# KiCad board plinkyblack.kicad_pcb (continued)
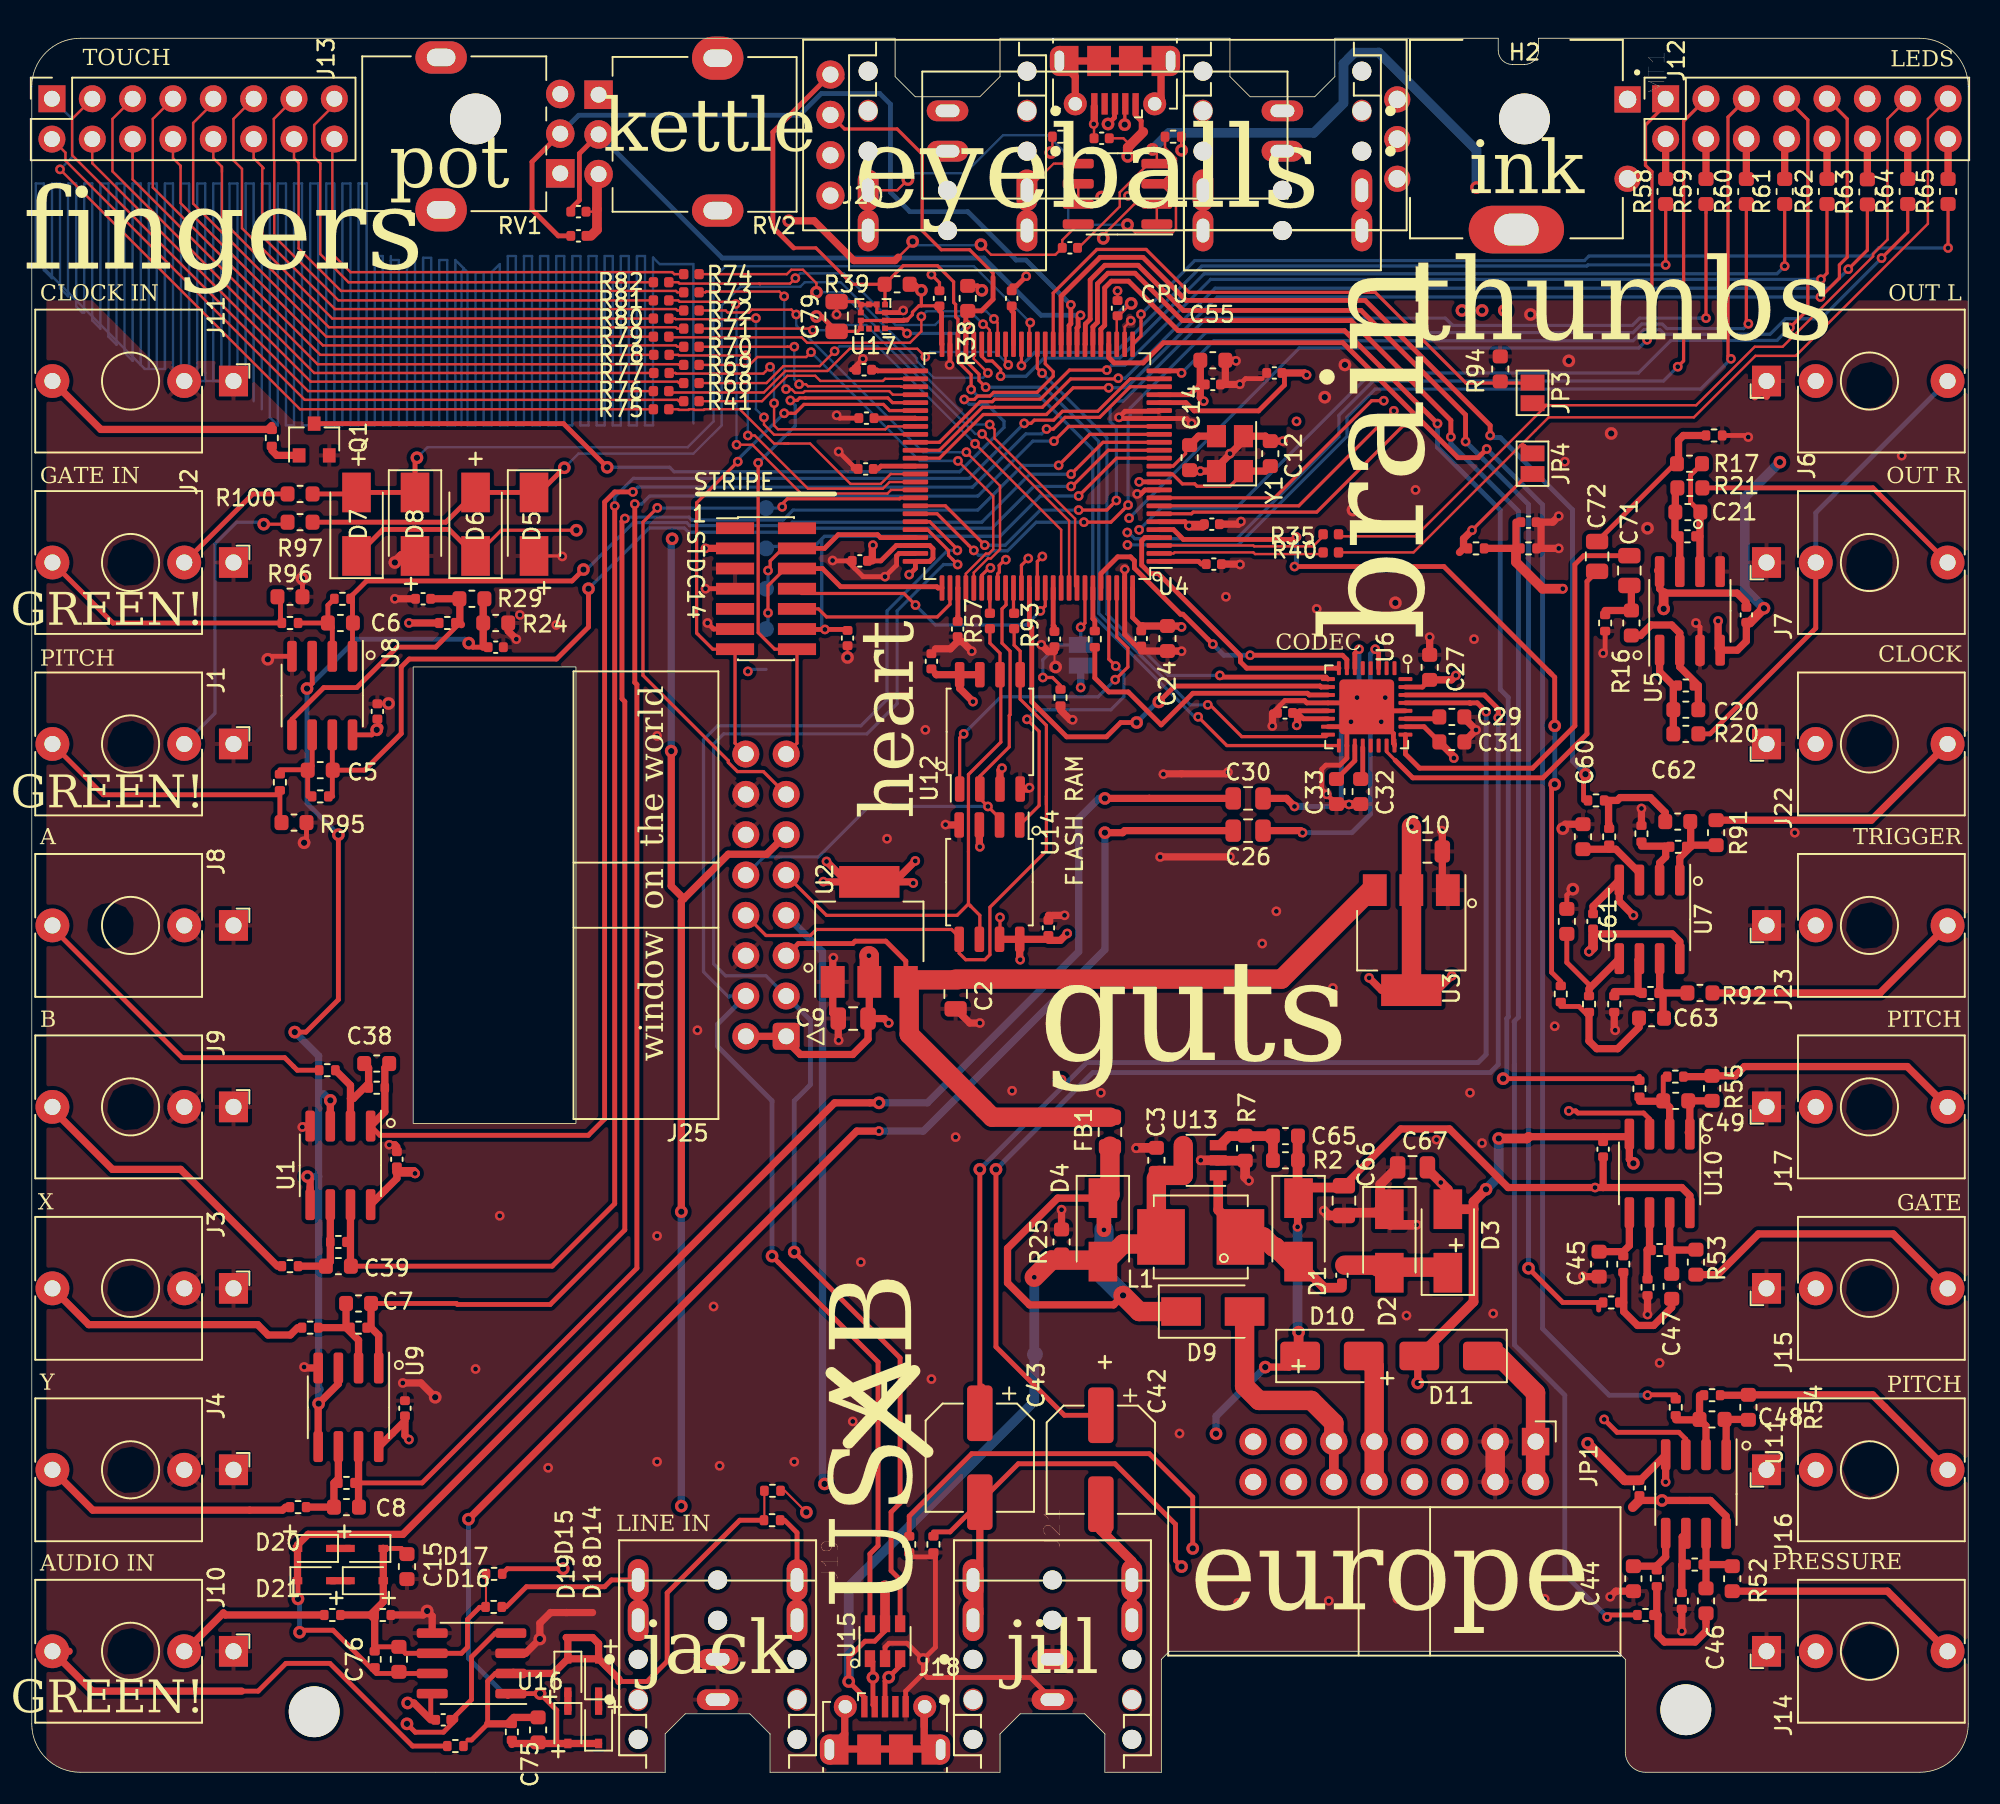
[diagram p0: board, top side]
## Library data of the parts
C1 C11 C16 C18 C19 C22 C23 C25 C28 C40 C41 C50 C51 C53 C64 C73 C74 C77 C78 = -: Description: Unpolarized capacitor; LCSC: C14663
C2 C9 C10 C26 C30 C66 C67 C71 C72 C79 = -: Description: Unpolarized capacitor; LCSC: C15850
C3 C24 C27 C29 C31-C33 = -: Description: Unpolarized capacitor; LCSC: C19666
C4 = -: Description: Unpolarized capacitor; LCSC: C15849
C5-C8 C38 C39 C44-C49 C60-C63 = -: Description: Unpolarized capacitor; LCSC: C53987
C12 C14 C15 C65 = -: Description: Unpolarized capacitor; LCSC: C1647
C17 C35-C37 C52 C56-C59 C68-C70 = -: Description: Unpolarized capacitor, small symbol; LCSC: C14663
C20 C21 C75 C76 = -: Description: Unpolarized capacitor; LCSC: C1603
C34 C54 = -: Description: Unpolarized capacitor, small symbol; LCSC: C15849
C42 C43 = -: LCSC: C250009
C55 = -: Description: Unpolarized capacitor, small symbol; LCSC: C57112
D1-D11 = -: Description: Schottky diode; LCSC: C8678
D14 D16-D21 = -: Description: 75V 0.15A Fast switching Diode, SOD-323
D15 = -: Description: 75V 0.15A Fast switching Diode, SOD-323; LCSC: C2128
FB1 = -: LCSC: C1017
H1-H4 = -: Description: Mounting Hole without connection
J5 = -: Description: Generic connector, double row, 02x07, odd/even pin numbering scheme (row 1 odd numbers, row 2 even numbers), script generated (kicad-library-utils/schlib/autogen/connector/)
J12 J13 JP1 = -: Description: Generic connector, double row, 02x08, odd/even pin numbering scheme (row 1 odd numbers, row 2 even numbers), script generated (kicad-library-utils/schlib/autogen/connector/)
J18 J24 = -: LCSC: C136000
J19 J21 J26 J27 = -: Field4: CUI; Field5: Manufacturer recommendation
JP2-JP4 = -: Description: Solder Jumper, 2-pole, open
L1 = -: Description: Inductor; LCSC: C139506
MT1 = -: Field4: Manufacturer Recommendations; Field5: Rev. 09/19; Field6: J.W.Miller/Bourns
Q1 = -: Description: 0.2A Ic, 40V Vce, Small Signal NPN Transistor, SOT-23; LCSC: C20526
R1 R3-R5 R8 R22 R26 R27 R32 R33 R36 R103 R104 = -: Description: Resistor; LCSC: C25803
R2 R94-R96 = -: Description: Resistor; LCSC: C4172
R6 R20 R21 R23 R37 R52-R56 R91 R92 R106 = -: Description: Resistor; LCSC: C21190
R7 R25 = -: Description: Resistor; LCSC: C25811
R9 R14 R15 R18 R19 R50 R51 = -: Description: Resistor; LCSC: C4216
R10-R12 R30 R31 R42 R46 R85 R86 = -: Description: Resistor; LCSC: C31850
R13 R28 R43-R45 R47-R49 R66 R67 R83 R84 R87-R90 R98 R99 = -: Description: Resistor; LCSC: C25804
R16 R17 = -: Description: Resistor; LCSC: C23189
R24 = -: Description: Resistor; LCSC: C25981
R29 R38 R39 R97 R100 = -: Description: Resistor; LCSC: C4190
R34 = -: Description: Resistor; LCSC: C22775
R35 R40 R41 R57 R68-R82 R93 = -: Description: Resistor; LCSC: C25076
R58-R65 = -: Description: Resistor; LCSC: C23182
R101 R102 = -: Description: Resistor; LCSC: C22790
T_JTCK1 T_JTMS1 T_NRST1 T_VBUS1 TPDEBUG1 = -: Description: test point
U1 U8 U9 = -: Description: 1MHz, Low-Power Op Amp, SOIC-8; LCSC: C7377
U2 U3 = -: LCSC: C6186
U4 = -: LCSC: C165886
U5 U7 U10 U11 U16 = -: Description: Dual Low-Noise JFET-Input Operational Amplifiers, DIP-8/SOIC-8; LCSC: C6961
U6 = -: LCSC: C323840
U12 U14 = -: LCSC: C97521
U13 = -: Description: Synchronous Boost Regulator, Adjustable Output up to 28V, 400 mA Switch Current Limit, SOT-23-5; LCSC: C7722
U15 = -: Description: Very low capacitance ESD protection diode, 2 data-line, SOT-23-6; LCSC: C7519
U17 = -: LCSC: C110926
U18 = -: Description: Dual Low-Noise JFET-Input Operational Amplifiers, DIP-8/SOIC-8
Y1 = -: Description: Four pin crystal, GND on pins 2 and 4; LCSC: C13738

## Footprints (pads in the part's own frame, mm; a bottom-side part is the same pattern mirrored in y, then rotated)
C_0402_1005Metric
  rrect 0.56x0.62 smd: 1(-0.48,0) 2(0.48,0)
C_0603_1608Metric
  rrect 0.875x0.95 smd: 1(-0.787,0) 2(0.787,0)
C_0805_2012Metric
  rrect 0.975x1.4 smd: 1(-0.938,0) 2(0.938,0)
CP_Elec_6.3x5.9
  rrect 3.5x1.6 smd: 1(-2.8,0) 2(2.8,0)
Crystal_SMD_Abracon_ABM8G-4Pin_3.2x2.5mm
  rect 1.4x1.2 smd: 1(-1.1,-0.85) 2(1.1,-0.85) 3(1.1,0.85) 4(-1.1,0.85)
CUI_SJ1-3523N_double
  round 1.2 hole 1.2 unplated: (-5.04,5) (-5.04,-5) (0,5) (0,-5) (2.46,0) (5,0)
  oval 1.397x1.2 hole 1.2 unplated: (-2.54,5) (-2.54,-5)
  oval 1.308x2.616 hole 0.8x1.5: 1(-2.54,0) 1(0,0)
  oval 2.616x1.308 hole 1.5x0.8: 2(2.46,-5) 2(5,-5) 3(2.46,5) 3(5,5)
D_SMA
  rect 2.5x1.8 smd: 1(-2,0) 2(2,0)
D_SMA#2
  rrect 2.5x1.8 smd: 1(-2,0) 2(2,0)
D_SOD-323
  rect 0.6x0.45 smd: 1(-1.05,0) 2(1.05,0)
IDC-Header_2x08_P2.54mm_Horizontal
  rect 1.727x1.727 hole 1.016: 1(0,0)
  oval 1.727x1.727 hole 1.016: 2(2.54,0) 3(0,-2.54) 4(2.54,-2.54) 5(0,-5.08) 6(2.54,-5.08) 7(0,-7.62) 8(2.54,-7.62) 9(0,-10.16) 10(2.54,-10.16) 11(0,-12.7) 12(2.54,-12.7) 13(0,-15.24) 14(2.54,-15.24) 15(0,-17.78) 16(2.54,-17.78)
IDC-Header_2x08_P2.54mm_Horizontal#2
  rrect 1.7x1.7 hole 1: 1(0,0)
  round 1.7 hole 1: 2(2.54,0) 3(0,-2.54) 4(2.54,-2.54) 5(0,-5.08) 6(2.54,-5.08) 7(0,-7.62) 8(2.54,-7.62) 9(0,-10.16) 10(2.54,-10.16) 11(0,-12.7) 12(2.54,-12.7) 13(0,-15.24) 14(2.54,-15.24) 15(0,-17.78) 16(2.54,-17.78)
L_0805_2012Metric
  rrect 0.975x1.4 smd: 1(-0.938,0) 2(0.938,0)
L_Murata_LQH55DN_5.7x5.0mm
  rect 3x3.5 smd: 1(-2.5,0) 2(2.5,0)
LGA-12_2x2mm_P0.5mm
  rect 0.375x0.35 smd: 1(-0.762,0.75) 2(-0.762,0.25) 3(-0.762,-0.25) 4(-0.762,-0.75) 7(0.762,-0.75) 8(0.762,-0.25) 9(0.762,0.25) 10(0.762,0.75)
  rect 0.35x0.375 smd: 5(-0.25,-0.762) 6(0.25,-0.762) 11(0.25,0.762) 12(-0.25,0.762)
LQFP-100_14x14mm_P0.5mm
  rrect 1.6x0.3 smd: 1(-7.675,6) 2(-7.675,5.5) 3(-7.675,5) 4(-7.675,4.5) 5(-7.675,4) 6(-7.675,3.5) 7(-7.675,3) 8(-7.675,2.5) 9(-7.675,2) 10(-7.675,1.5) 11(-7.675,1) 12(-7.675,0.5) 13(-7.675,0) 14(-7.675,-0.5) 15(-7.675,-1) 16(-7.675,-1.5) 17(-7.675,-2) 18(-7.675,-2.5) 19(-7.675,-3) 20(-7.675,-3.5) 21(-7.675,-4) 22(-7.675,-4.5) 23(-7.675,-5) 24(-7.675,-5.5) 25(-7.675,-6) 51(7.675,-6) 52(7.675,-5.5) 53(7.675,-5) 54(7.675,-4.5) 55(7.675,-4) 56(7.675,-3.5) 57(7.675,-3) 58(7.675,-2.5) 59(7.675,-2) 60(7.675,-1.5) 61(7.675,-1) 62(7.675,-0.5) 63(7.675,0) 64(7.675,0.5) 65(7.675,1) 66(7.675,1.5) 67(7.675,2) 68(7.675,2.5) 69(7.675,3) 70(7.675,3.5) 71(7.675,4) 72(7.675,4.5) 73(7.675,5) 74(7.675,5.5) 75(7.675,6)
  rrect 0.3x1.6 smd: 26(-6,-7.675) 27(-5.5,-7.675) 28(-5,-7.675) 29(-4.5,-7.675) 30(-4,-7.675) 31(-3.5,-7.675) 32(-3,-7.675) 33(-2.5,-7.675) 34(-2,-7.675) 35(-1.5,-7.675) 36(-1,-7.675) 37(-0.5,-7.675) 38(0,-7.675) 39(0.5,-7.675) 40(1,-7.675) 41(1.5,-7.675) 42(2,-7.675) 43(2.5,-7.675) 44(3,-7.675) 45(3.5,-7.675) 46(4,-7.675) 47(4.5,-7.675) 48(5,-7.675) 49(5.5,-7.675) 50(6,-7.675) 76(6,7.675) 77(5.5,7.675) 78(5,7.675) 79(4.5,7.675) 80(4,7.675) 81(3.5,7.675) 82(3,7.675) 83(2.5,7.675) 84(2,7.675) 85(1.5,7.675) 86(1,7.675) 87(0.5,7.675) 88(0,7.675) 89(-0.5,7.675) 90(-1,7.675) 91(-1.5,7.675) 92(-2,7.675) 93(-2.5,7.675) 94(-3,7.675) 95(-3.5,7.675) 96(-4,7.675) 97(-4.5,7.675) 98(-5,7.675) 99(-5.5,7.675) 100(-6,7.675)
MountingHole_3.2mm_M3
  round 3.2 hole 3.2 unplated: (0,0)
oled091
  round 1.778 hole 1.016: 1(-17.28,3.81) 2(-17.28,1.27) 3(-17.28,-1.27) 4(-17.28,-3.81)
pec11r_encoder
  rect 1.65x1.65 hole 1.1: 1(-2.5,7)
  round 1.65 hole 1.1: 2(2.5,7) A(-2.5,-7.5) B(2.5,-7.5) COM(0,-7.5)
  oval 3x6 hole 2x2.8: S2(5.7,0)
PinHeader_2x07_P1.27mm_Vertical_SMD
  rect 2.4x0.74 smd: 1(-1.95,3.81) 2(1.95,3.81) 3(-1.95,2.54) 4(1.95,2.54) 5(-1.95,1.27) 6(1.95,1.27) 7(-1.95,0) 8(1.95,0) 9(-1.95,-1.27) 10(1.95,-1.27) 11(-1.95,-2.54) 12(1.95,-2.54) 13(-1.95,-3.81) 14(1.95,-3.81)
PinSocket_2x08_P2.54mm_Vertical
  rect 1.7x1.7 hole 1: 1(0,0)
  oval 1.7x1.7 hole 1: 2(-2.54,0) 3(0,-2.54) 4(-2.54,-2.54) 5(0,-5.08) 6(-2.54,-5.08) 7(0,-7.62) 8(-2.54,-7.62) 9(0,-10.16) 10(-2.54,-10.16) 11(0,-12.7) 12(-2.54,-12.7) 13(0,-15.24) 14(-2.54,-15.24) 15(0,-17.78) 16(-2.54,-17.78)
pot3d
  oval 3.24x2.72 hole 1.8x1.1: (7.5,2.3)
  oval 3.24x2.032 hole 1.8x1.1: (7.5,-7.3)
  rect 1.8x1.8 hole 1: 1(0,0)
  round 1.8 hole 1: 2(0,-2.5) 3(0,-5)
QFN-32-1EP_5x5mm_P0.5mm_EP3.45x3.45mm
  rrect 0.93x0.93 smd: (-1.15,1.15) (-1.15,0) (-1.15,-1.15) (0,1.15) (0,0) (0,-1.15) (1.15,1.15) (1.15,0) (1.15,-1.15)
  rrect 0.875x0.25 smd: 1(-2.438,1.75) 2(-2.438,1.25) 3(-2.438,0.75) 4(-2.438,0.25) 5(-2.438,-0.25) 6(-2.438,-0.75) 7(-2.438,-1.25) 8(-2.438,-1.75) 17(2.438,-1.75) 18(2.438,-1.25) 19(2.438,-0.75) 20(2.438,-0.25) 21(2.438,0.25) 22(2.438,0.75) 23(2.438,1.25) 24(2.438,1.75)
  rrect 0.25x0.875 smd: 9(-1.75,-2.438) 10(-1.25,-2.438) 11(-0.75,-2.438) 12(-0.25,-2.438) 13(0.25,-2.438) 14(0.75,-2.438) 15(1.25,-2.438) 16(1.75,-2.438) 25(1.75,2.438) 26(1.25,2.438) 27(0.75,2.438) 28(0.25,2.438) 29(-0.25,2.438) 30(-0.75,2.438) 31(-1.25,2.438) 32(-1.75,2.438)
  rrect 3.45x3.45 smd: 33(0,0)
R_0402_1005Metric
  rrect 0.54x0.64 smd: 1(-0.51,0) 2(0.51,0)
R_0402_1005Metric#2
  rrect 0.59x0.64 smd: 1(-0.485,0) 2(0.485,0)
R_0603_1608Metric
  rrect 0.875x0.95 smd: 1(-0.787,0) 2(0.787,0)
SOIC-8_3.9x4.9mm_P1.27mm
  rrect 1.95x0.6 smd: 1(-2.475,1.905) 2(-2.475,0.635) 3(-2.475,-0.635) 4(-2.475,-1.905) 5(2.475,-1.905) 6(2.475,-0.635) 7(2.475,0.635) 8(2.475,1.905)
SOIC-8_5.23x5.23mm_P1.27mm
  rrect 1.6x0.6 smd: 1(-3.6,1.905) 2(-3.6,0.635) 3(-3.6,-0.635) 4(-3.6,-1.905) 5(3.6,-1.905) 6(3.6,-0.635) 7(3.6,0.635) 8(3.6,1.905)
SolderJumper-2_P1.3mm_Open_Pad1.0x1.5mm
  rect 1x1.5 smd: 1(-0.65,0) 2(0.65,0)
SOT-23
  rect 0.9x0.8 smd: 1(-1,0.95) 2(-1,-0.95) 3(1,0)
SOT-23-5
  rect 1.06x0.65 smd: 1(-1.1,0.95) 2(-1.1,0) 3(-1.1,-0.95) 4(1.1,-0.95) 5(1.1,0.95)
SOT-23-6
  rect 1.06x0.65 smd: 1(-1.1,0.95) 2(-1.1,0) 3(-1.1,-0.95) 4(1.1,-0.95) 5(1.1,0) 6(1.1,0.95)
SOT-223-3_TabPin2
  rect 2x1.5 smd: 1(-3.15,2.3) 2(-3.15,0) 3(-3.15,-2.3)
  rect 2x3.8 smd: 2(3.15,0)
TestPoint_Pad_D1.0mm
  round 1 smd: 1(0,0)
thonk_with_3d
  rect 1.93x1.83 hole 1.016: S(0,0)
  round 2.13 hole 1.016: T(0,-11.4) TN(0,-3.1)
USB_Micro-B_Molex-105017-0001_with_3d
  rect 0.4x1.35 smd: 1(-1.3,1.462) 2(-0.65,1.462) 3(0,1.462) 4(0.65,1.462) 5(1.3,1.462)
  oval 1.2x1.9 hole 0.6x1.3: 6(-3.5,-1.238) 6(3.5,-1.238)
  rect 1.2x1.9 smd: 6(-2.9,-1.238) 6(2.9,-1.238)
  round 1.45 hole 0.85: 6(-2.5,1.462) 6(2.5,1.462)
  rect 1.5x1.9 smd: 6(-1,-1.238) 6(1,-1.238)

## Nets
+3V3: C9.1 C16.1 C18.1 C19.1 C22.1 C23.1 C24.1 C28.2 C53.1 C73.1 C79.1 D5.1 D7.1 J5.3 J20.3 J25.1 J25.2 JP2.1 R38.1 R39.1 U2.2 U4.6 U4.11 U4.28 U4.50 U4.73 U4.75 U4.100 U6.13 U6.14 U12.3 U12.7 U12.8 U14.3 U14.7 U14.8 U17.2 U17.9 U17.10
+5V: C2.1 FB1.1 J25.5 U2.3 U3.3
+12V: C25.2 C50.2 C51.2 C64.2 C65.2 C66.1 C77.2 C78.2 D1.1 D10.1 J25.11 R2.1 U5.8 U7.8 U10.8 U11.8 U16.8 U18.8
-12V: C25.1 C50.1 C51.1 C64.1 C67.1 C77.1 C78.1 D3.2 D11.2 J25.7 U5.4 U7.4 U10.4 U11.4 U16.4 U18.4
GND: C1.1 C2.2 C3.2 C9.2 C10.2 C11.2 C12.2 C14.2 C15.1 C16.2 C17.1 C18.2 C19.2 C22.2 C23.2 C24.2 C27.2 C28.1 C29.2 C31.1 C32.2 C33.2 C34.1 C35.1 C36.1 C37.1 C40.1 C41.1 C44.1 C45.1 C52.1 C53.2 C54.2 C55.2 C56.1 C57.1 C58.1 C59.1 C60.1 C61.1 C66.2 C67.2 C68.2 C69.1 C70.2 C73.2 C74.1 C79.2 D2.1 D6.2 D8.2 J1.S J2.S J3.S J3.TN J4.S J4.TN J5.5 J5.7 J5.11 J6.S J7.S J8.S J8.TN J9.S J9.TN J10.S J11.S J11.TN J12.11 J14.S J15.S J16.S J17.S J18.5 J19.1 J20.4 J21.1 J22.S J23.S J24.5 J25.6 J25.12 J25.14 J26.1 J27.1 JP1.3 JP1.4 MT1.1 MT1.COM Q1.2 R7.2 R13.2 R14.2 R15.2 R24.1 R25.2 R32.2 R33.2 R66.1 R67.1 R87.1 R88.1 R94.1 R95.2 R96.2 R99.1 R103.2 R104.2 R106.1 RV1.3 RV2.3 U1.4 U2.1 U3.1 U4.10 U4.19 U4.20 U4.27 U4.49 U4.74 U4.99 U5.3 U5.5 U6.12 U6.15 U6.18 U6.24 U6.28 U6.33 U8.4 U9.4 U12.4 U13.2 U14.4 U15.2 U16.3 U16.5 U17.3 U17.5 U17.6 U17.7 U17.8 Y1.2 Y1.4
VBUS: C3.1 C74.2 D4.2 J18.1 J24.1 L1.1 R25.1 T_VBUS1.1 U13.4 U13.5 U15.5
VDDA: C1.2 C10.1 C27.1 C31.2 C40.2 C41.2 C54.1 C55.1 U1.8 U3.2 U4.22 U6.26 U6.31 U8.8 U9.8
/INPUT_L_SECONDARYIN: R6.2 U18.1 U18.2
/INPUT_R_SECONDARYIN: R23.2 U18.6 U18.7
ADCDAT: U4.38 U6.9
AIN1: C5.1 R9.1 U4.15 U8.7
AIN2: C6.1 R10.1 U4.16 U8.1
AIN3: C7.1 R11.1 U4.17 U9.1
AIN4: C8.1 R12.1 U4.18 U9.7
AIN5: C38.1 R30.1 U1.1 U4.23
AIN6: C39.1 R31.1 U1.7 U4.24
AOUT1: R48.2 U4.29
AOUT2: R49.2 U4.30
AOUT3: R44.2 U4.31
AOUT4: R43.2 U4.32
AOUT5: R83.2 U4.35
AOUT6: R84.2 U4.5
CLKIN: Q1.3 U4.37
DACDAT: U4.87 U6.10
DEBUG: J25.13 TPDEBUG1.1 U4.67
DM: J25.4 U4.70 U15.6
DM_C: J18.2 J24.2 U15.1
DP: J25.3 U4.71 U15.4
DP_C: J18.3 J24.3 U15.3
FSCLK: U4.96 U6.7
HPL: C42.1 U6.30
HPR: C43.1 U6.29
IO1: MT1.2 U4.7
IO2: MT1.A U4.8
IO3: MT1.B U4.9
JTCK: J5.6 T_JTCK1.1 U4.76
JTDI: J5.10 U4.77
JTDO: J5.8 U4.89
JTMS: J5.4 T_JTMS1.1 U4.72
LINEINL: C26.1 U6.3
LINEINR: C30.1 U6.6
LINEOUTL: C71.2 U6.25
LINEOUTR: C72.2 U6.23
MCLK: R34.2 U6.11
MISO: J25.10 U4.84 U12.2 U14.2
MOSI: J25.8 R93.1 U12.5 U14.5
N1: J12.1 U4.83
N2: J12.3 U4.86
N3: J12.5 U4.88
N4: J12.7 U4.81
N5: J12.9 U4.62
NRST: C11.1 J5.12 T_NRST1.1 U4.14
P1: R58.1 U4.40
P2: R59.1 U4.68
P3: R60.1 U4.69
P4: R61.1 U4.45
P5: R62.1 U4.60
P6: R63.1 U4.61
P7: R64.1 U4.25
P8: R65.1 U4.26
POT1: C68.1 RV2.2 U4.33
POT2: C70.1 RV1.2 U4.34
RX: J5.13 J25.16 U4.56
SCL: J20.2 R38.2 U4.47 U6.16 U17.1
SCLK: U4.4 U6.8
SDA: J20.1 R39.2 U4.48 U6.17 U17.4
SENSE: D7.2 D8.1 R100.1 U4.39
SENSE2: D5.2 D6.1 R97.1 U4.46
SPICLK: J25.9 R57.1 U12.6 U14.6
SPICS: U4.98 U12.1
SPICS2: U4.97 U14.1
T1: R41.1 U4.52
T2: R68.1 U4.91
T3: R69.1 U4.79
T4: R70.1 U4.53
T5: R71.1 U4.92
T6: R72.1 U4.80
T7: R73.1 U4.54
T8: R74.1 U4.93
T9: R75.2 U4.64
T10: R76.2 U4.42
T11: R77.2 U4.58
T12: R78.2 U4.65
T13: R79.2 U4.43
T14: R80.2 U4.59
T15: R81.2 U4.66
T16: R82.2 U4.44
TS1: R40.2 U4.2
TS1_: J12.15 JP4.1 R40.1
TS2: R35.2 U4.3
TS2_: J12.13 JP3.2 R35.1
TX: J5.14 J25.15 U4.55
VREF: C34.2 JP4.2 R28.2 R98.2 RV1.1 RV2.1 U4.21
VREF1: C17.2 R24.2 R29.1 U1.3 U1.5 U8.3 U9.3 U9.5
VREF125: C35.2 R28.1 R29.2 U8.5
VREF_125_OUT: C69.2 R98.1 R99.2 U10.3 U11.3
Net-(C20-Pad1): C20.1 R18.1 R20.2 U5.1
Net-(C21-Pad1): C21.1 R19.1 R21.2 U5.7
Net-(C42-Pad2): C42.2 J21.2 J27.2 R33.1
Net-(C43-Pad2): C43.2 J21.3 J27.3 R32.1
Net-(C46-Pad1): C46.1 R42.2 R44.1
Net-(C46-Pad2): C46.2 R45.2 R52.2 U11.7
Net-(C47-Pad1): C47.1 R43.1 R46.2
Net-(C47-Pad2): C47.2 R47.2 R53.2 U10.7
Net-(C48-Pad1): C48.1 R54.2 U11.1
Net-(C49-Pad1): C49.1 R55.2 U10.1
Net-(C62-Pad1): C62.1 R83.1 R85.2
Net-(C62-Pad2): C62.2 R90.2 R91.2 U7.1
Net-(C63-Pad1): C63.1 R84.1 R86.2
Net-(C63-Pad2): C63.2 R89.2 R92.2 U7.7
Net-(C71-Pad1): C71.1 R14.1 R16.2
Net-(C72-Pad1): C72.1 R15.1 R17.2
Net-(D1-A): C4.2 D1.2 L1.2 U13.1
Net-(D2-A): C4.1 D2.2 D3.1
Net-(D4-K): D4.1 D9.1 FB1.2
Net-(D9-A): D9.2 JP1.11 JP1.12
Net-(D10-A): D10.2 JP1.9 JP1.10
Net-(D11-K): D11.1 JP1.1 JP1.2
Net-(D14-A): C75.1 D14.2 D15.1 R6.1 R36.1 R37.1 R101.2 U16.2
Net-(D14-K): D14.1 D18.2
Net-(D15-A): D15.2 D19.1
Net-(D16-A): C15.2 C76.1 D16.2 D17.1 R22.1 R23.1 R56.1 R102.2 R106.2 U16.6
Net-(D16-K): D16.1 D20.2
Net-(D17-A): D17.2 D21.1
Net-(D18-K): C26.2 C75.2 D18.1 D19.2 R101.1 U16.1
Net-(D20-K): C30.2 C76.2 D20.1 D21.2 R102.1 U16.7
Net-(J1-PadT): J1.T R1.2 R95.1
Net-(J1-PadTN): J1.TN R97.2
Net-(J2-PadT): J2.T R3.2 R96.1
Net-(J2-PadTN): J2.TN R100.2
Net-(J3-PadT): J3.T R4.2
Net-(J4-PadT): J4.T R5.2
Net-(J6-PadT): J6.T J7.TN R20.1
Net-(J7-PadT): J7.T R21.1
Net-(J8-PadT): J8.T R26.2
Net-(J9-PadT): J9.T R27.2
Net-(J10-PadT): J10.T R36.2
Net-(J10-PadTN): J10.TN R22.2
Net-(J11-PadT): J11.T R8.2
Net-(J12-Pin_2): J12.2 R58.2
Net-(J12-Pin_4): J12.4 R59.2
Net-(J12-Pin_6): J12.6 R60.2
Net-(J12-Pin_8): J12.8 R61.2
Net-(J12-Pin_10): J12.10 R62.2
Net-(J12-Pin_12): J12.12 R63.2
Net-(J12-Pin_14): J12.14 R64.2
Net-(J12-Pin_16): J12.16 R65.2
Net-(J13-Pin_1): J13.1 R75.1
Net-(J13-Pin_2): J13.2 R41.2
Net-(J13-Pin_3): J13.3 R76.1
Net-(J13-Pin_4): J13.4 R68.2
Net-(J13-Pin_5): J13.5 R77.1
Net-(J13-Pin_6): J13.6 R69.2
Net-(J13-Pin_7): J13.7 R78.1
Net-(J13-Pin_8): J13.8 R70.2
Net-(J13-Pin_9): J13.9 R79.1
Net-(J13-Pin_10): J13.10 R71.2
Net-(J13-Pin_11): J13.11 R80.1
Net-(J13-Pin_12): J13.12 R72.2
Net-(J13-Pin_13): J13.13 R81.1
Net-(J13-Pin_14): J13.14 R73.2
Net-(J13-Pin_15): J13.15 R82.1
Net-(J13-Pin_16): J13.16 R74.2
Net-(J14-PadT): J14.T R52.1
Net-(J15-PadT): J15.T R53.1
Net-(J16-PadT): J16.T R50.1 R54.1
Net-(J17-PadT): J17.T R51.1 R55.1
Net-(J19-Pad2): J19.2 R37.2
Net-(J19-Pad3): J19.3 R56.2
Net-(J22-PadT): J22.T R91.1
Net-(J23-PadT): J23.T R92.1
Net-(JP2-B): JP2.2 R13.1 U4.94
Net-(JP3-A): JP3.1 R94.2 U4.36
Net-(Q1-B): Q1.1 R8.1
Net-(U1A--): C38.2 R26.1 R30.2 U1.2
Net-(U1B--): C39.2 R27.1 R31.2 U1.6
Net-(U4-PB4): C56.2 U4.90
Net-(U4-PB8): R34.1 U4.95
Net-(U4-PB12): C57.2 U4.51
Net-(U4-PC6): C58.2 U4.63
Net-(U4-PC10): C59.2 U4.78
Net-(U4-PD1): R57.2 U4.82
Net-(U4-PD4): R93.2 U4.85
Net-(U4-PD10): C52.2 U4.57
Net-(U4-PE2): C36.2 U4.1
Net-(U4-PE10): C37.2 U4.41
Net-(U4-PH0): C12.1 U4.12 Y1.1
Net-(U4-PH1): C14.1 U4.13 Y1.3
Net-(U5A--): C20.2 R16.1 R18.2 U5.2
Net-(U5B--): C21.2 R17.1 R19.2 U5.6
Net-(U6-HP_COM): C33.1 U6.19
Net-(U6-LINE_COM): C32.1 U6.20
Net-(U6-VMID): C29.1 U6.27
Net-(U7A-+): C60.2 R85.1 U7.3
Net-(U7A--): R87.2 R90.1 U7.2
Net-(U7B-+): C61.2 R86.1 U7.5
Net-(U7B--): R88.2 R89.1 U7.6
Net-(U8A--): C6.2 R3.1 R10.2 U8.2
Net-(U8B--): C5.2 R1.1 R9.2 U8.6
Net-(U9A--): C7.2 R4.1 R11.2 U9.2
Net-(U9B--): C8.2 R5.1 R12.2 U9.6
Net-(U10A--): C49.2 R49.1 R51.2 U10.2
Net-(U10B-+): C45.2 R46.1 U10.5
Net-(U10B--): R47.1 R67.2 U10.6
Net-(U11A--): C48.2 R48.1 R50.2 U11.2
Net-(U11B-+): C44.2 R42.1 U11.5
Net-(U11B--): R45.1 R66.2 U11.6
Net-(U13-FB): C65.1 R2.2 R7.1 U13.3
Net-(U18A-+): J26.2 R103.1 U18.3
Net-(U18B-+): J26.3 R104.1 U18.5

Pads without a net: J5 1 2 9; J6 TN; J14 TN; J15 TN; J16 TN; J17 TN; J18 4 6; J22 TN; J23 TN; J24 4 6; JP1 5 6 7 8 13 14 15 16; MT1 S2; U6 1 2 4 5 21 22 32; U17 11 12

## Via types
v1: diameter 0.61, hole 0.305, Top to Bottom, 291 vias
v2: diameter 0.8, hole 0.4, Top to Bottom, 104 vias
